# KiCad board Rogelio Pineda part 6-AMLDC-2044B.kicad_pcb (continued)
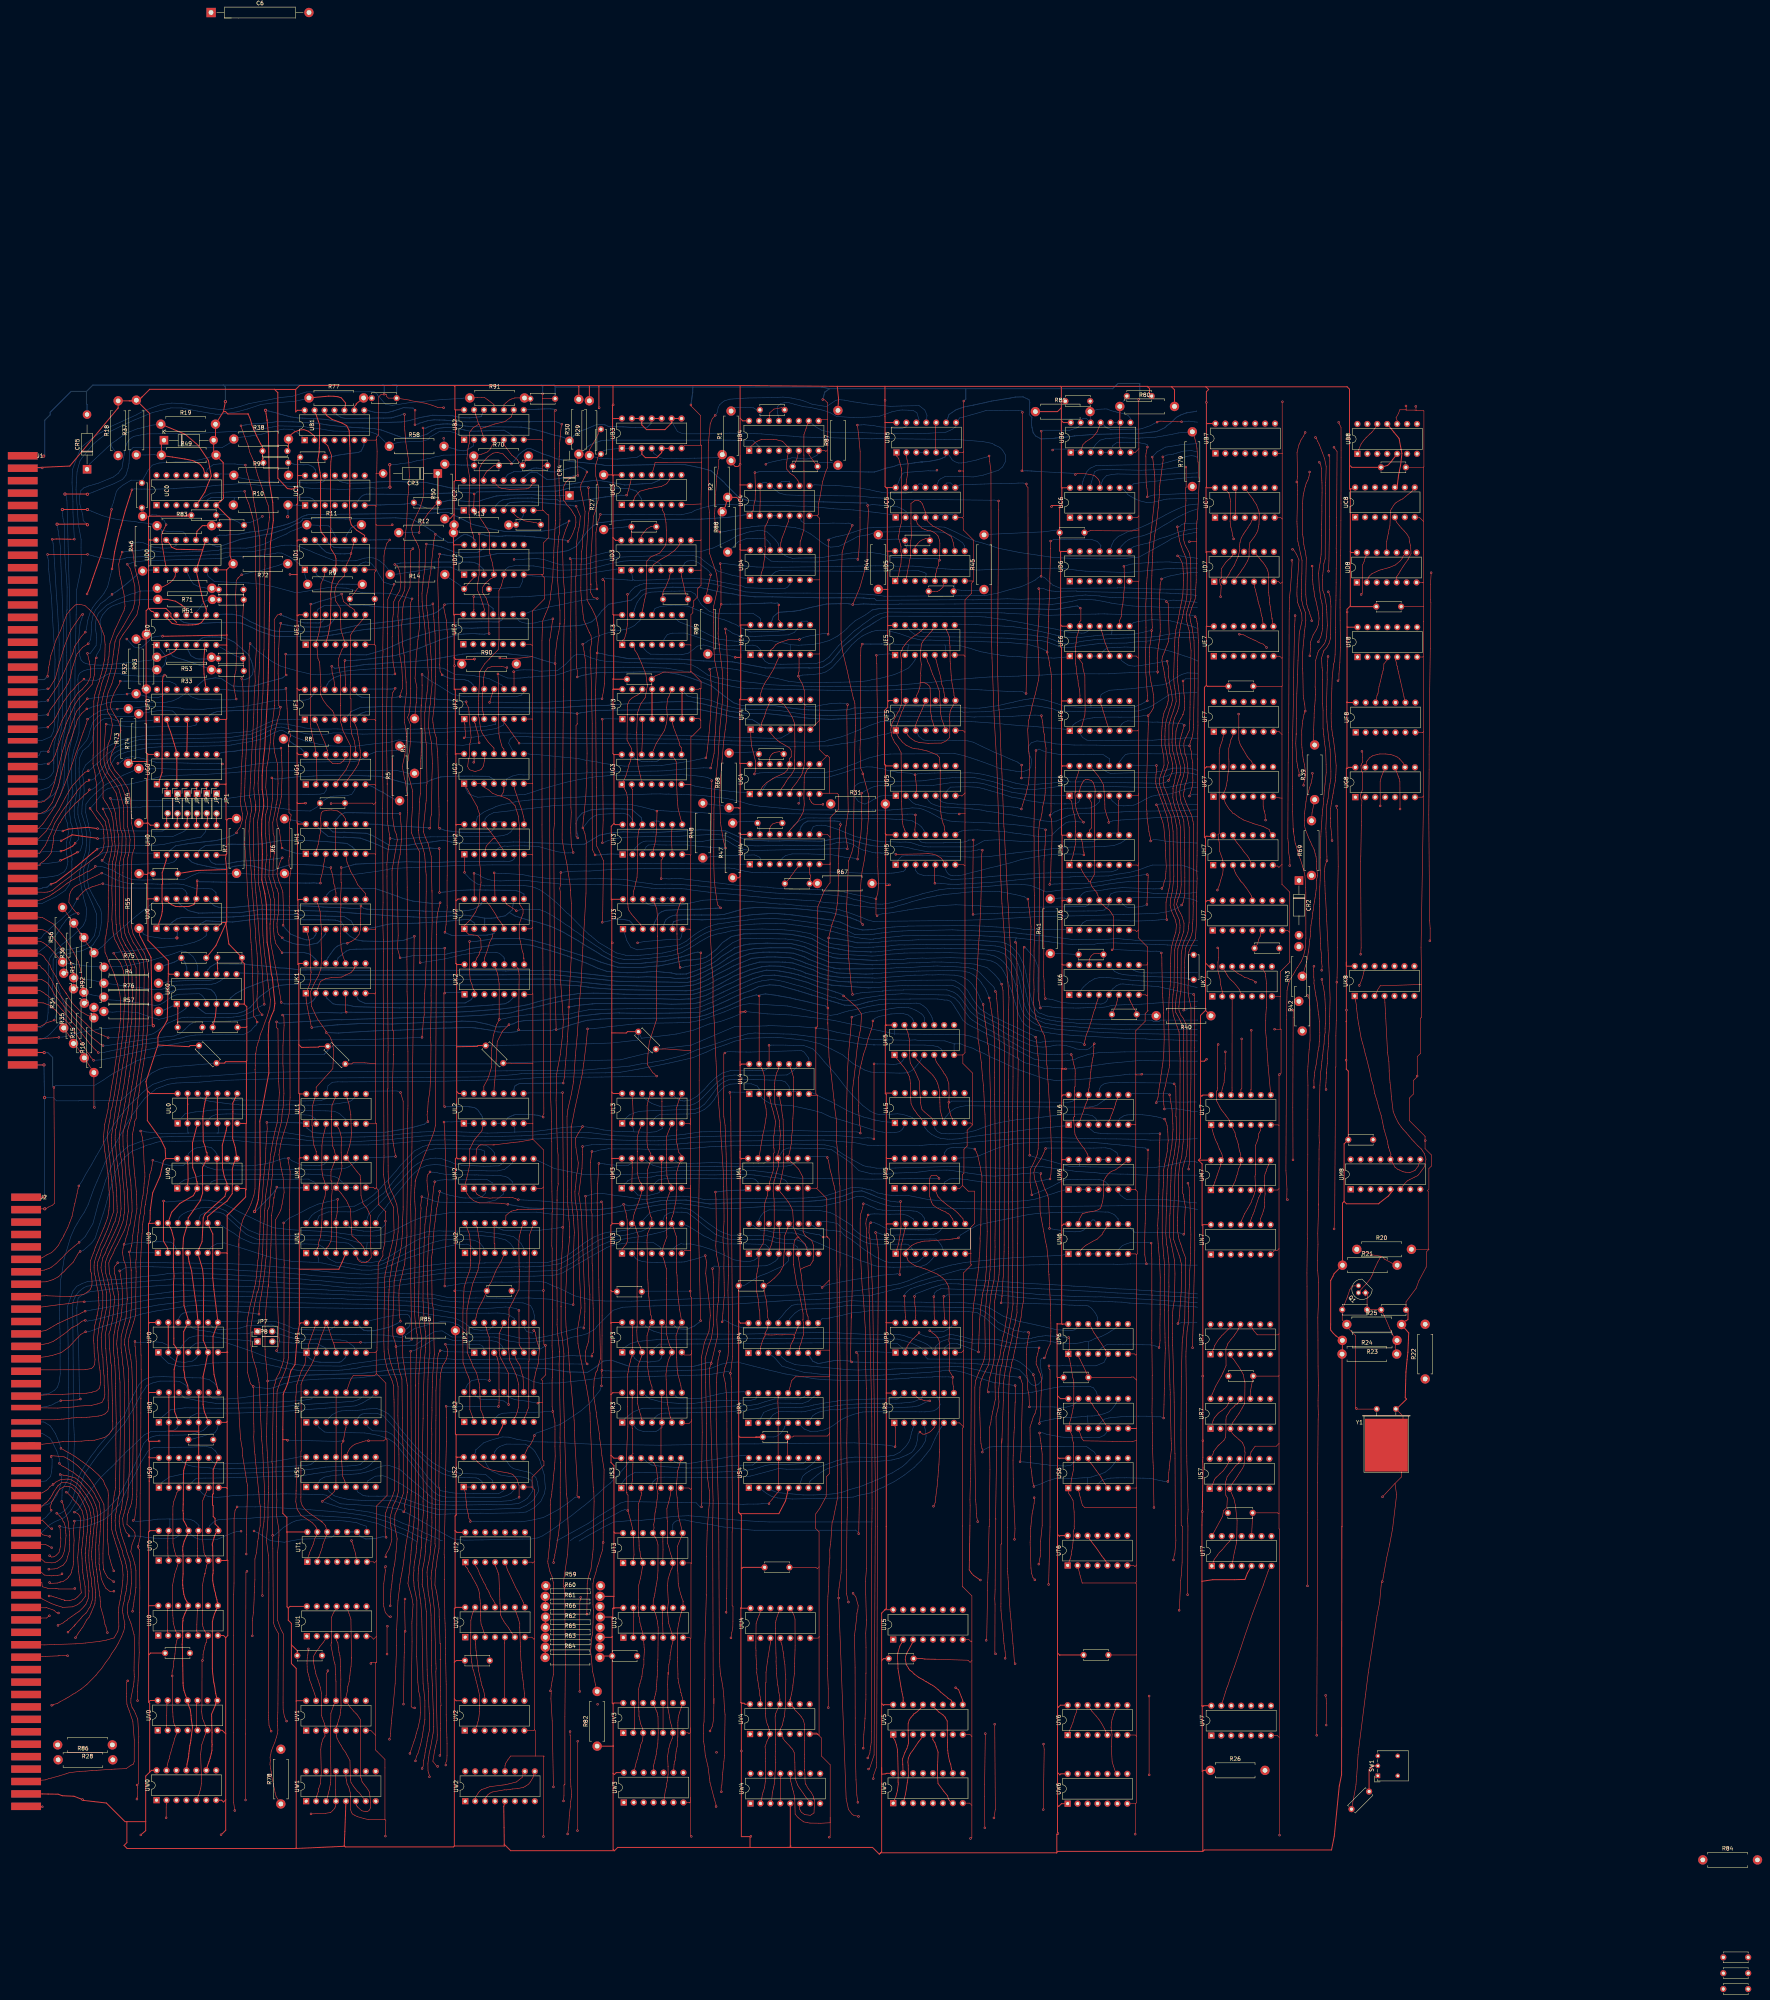
[diagram p0: board, top side]
## Routing (per net, layer and track width the routed paths; a pad name or vN(x,y) marks a point on that pad's centre or on a via; arc(x,y) is an arc through that point) (continued)
C1p11: length 85.7
  Bottom w0.2: UC3.10 238.35,385.12 236.44,384.32 234.12,384.21 230.61,383.99 229.54,383.93 226.78,384.47 222.46,385.17 219.15,384.74 216,384.19 212.86,383.77 204.96,383.22 192.46,383.16 186.5,383.12 185.3,383.13 178.6,384.6 174.03,384.68 171.39,384.83 170.81,384.82 166.48,384.71 164.59,384.49 158.69,384.39 157.48,384.61 156.7,384.88 156.15,385.35 UC1.11
C1p13: length 12.2
  Bottom w0.2: UC1.13 150.58,387.62 150.43,387.94 149.86,388.61 148.7,389.15 147.6,389.09 145.44,389.14 C31.2 143.58,386.47 R94.2
C2p4: length 41.2
  Top w0.15: 230.1,381.29 230.04,381.23 v1(230.04,381.32) 230.13,381.32 230.47,382.47 230.94,384.24 231.06,384.62 UC3.13
  Bottom w0.2: v1(230.04,381.32) 229.47,381.23 229.21,381.25 ; 229.27,381.25 228.58,381.32 228.03,381.19 224.59,380.87 222.48,380.52 221.97,380.42 221.61,380.35 219.32,380.03 217.02,379.8 212.82,379.83 212.4,380.15 210.82,380.21 209.58,380.29 205.8,380.58 204.81,380.55 202.29,380.56 201.3,380.53 198.45,380.12 197.5,379.63 196.74,378.8 UC2.4
C2p5: length 289.6
  Top w0.15: v1(363.07,328.79) 363.14,330.04 362.97,332.1 362.79,334.87 362.69,336.03 362.69,337.49 362.65,341.81 362.74,343.64 362.74,347.54 362.73,348.94 362.69,353.53 362.76,354.67 362.92,358.73 363.01,360.19 363.3,363.81 363.47,365.8 363.7,369.19 363.81,369.87 364.03,372 364.2,373.14 364.32,374.45 364.73,378.26 364.96,380.85 365.01,385.3 364.95,386.45 364.87,387.21 364.49,390.59 v1(364.33,391.06) ; v1(217.43,334.88) 217.43,336.52 217.21,337.59 217.04,360.51 217.13,360.6 217.25,366.28 217.25,368.95 217.59,371.81 217.87,373.02 218.04,373.86 218.21,375.97 v1(217.15,378.49)
  Bottom w0.15: UF6.12 348.61,327.95 348.67,327.6 348.7,327.04 ; v1(363.07,328.79) 362.58,328.54 361.65,328 361.25,327.87 360.63,327.57 359.15,327.08 356.83,327.11 355.88,327.09 355.56,327.04 354.04,327.04 353.43,327.02 352.26,327.04 348.7,327.04 ; 375.88,394.6 375.48,394.45 372.61,394.27 371.31,394.15 370.34,393.98 367.75,393.58 365.58,392.38 v1(364.33,391.06) ; 348.7,327.04 348.2,327.04 347.39,327.02 345.95,327.14 344.65,327.21 342.1,327.3 340.06,328.05 338.33,328.59 337.36,328.89 334.52,329.47 333.48,329.41 332.62,329.22 331.95,329.15 331.16,329 330.42,328.81 329.41,328.63 328.85,328.44 327.76,328.23 324.83,327.54 323.29,327.34 321.72,327.11 320.23,326.92 317.68,326.91 316.86,326.98 314.98,327.01 309.32,327.15 307.96,327.22 307.05,327.22 306.3,327.18 304.61,327.24 298.05,327.14 297.14,327.12 295.36,327.04
  Bottom w0.2: 243.27,335.57 241.26,335.93 239.86,336.16 233.47,336.19 231.83,336.12 230.11,336.13 223.14,335.99 222.22,335.95 220.34,335.59 218.91,335.32 v1(217.43,334.88) ; 243.27,335.57 243.29,335.55 ; 243.27,335.57 245.05,335.09 248.08,334.06 251.83,332.54 255.14,329.92 257.42,328.29 259.39,327.63 267.4,327.64 271.38,327.02 275.12,326.57 276.54,326.48 282.06,326.35 282.28,326.33 283.32,326.37 286.71,326.54 288.14,326.96 293.39,327.12 295.36,327.04 ; v1(217.15,378.49) 215.61,378.74 ; UC2.5 199.06,378.42 199.49,378.89 199.7,379.16 200.36,379.47 203.59,379.63 205.97,379.59 211.24,379.16 212.98,378.92 215.83,378.74
C2p6: length 8.5
  Top w0.15: C15.2 206.91,374.29 206.27,374.39 203.96,374.77 202.22,375.65 201.61,376.17 201.14,376.64 UC2.6
C2p7: length 6.2
  Bottom w0.2: R13.2 200,373.77 C15.1 202.67,374.6 203.4,375.65 203.5,375.86 203.68,376.31 UC2.7
C2p10: length 134.6
  Top w0.15: UE2.12 193.4,351.62 193.78,351.99 193.32,353.42 192.76,355.23 192.01,356.91 191.99,358.58 192.37,361.07 192.35,363.07 192.39,363.63 v1(192.39,371.44) 192.44,371.53 ; v1(215.08,369.51) 215.72,370.36 216.29,371.53 216.74,372.76 216.89,373.16 217.09,374.27 217.04,375.64 216.81,376.09 216.25,376.99 215.95,377.53 215.41,378.14 215.19,378.44 214.92,378.63 214.58,379.15 214.4,379.44 214.14,379.79 213.9,379.99 213.9,383.29 214.17,383.98 214.53,384.62 215.04,385.15 215.48,385.53 216.31,385.96 v1(217.59,386.35) 217.61,387.16 217.53,388.8 217.54,390.31 R30.1
  Bottom w0.2: UB4.2 264.08,393.56 262.4,395.23 261.83,395.3 255.23,395.36 224.94,395.37 223.54,395.23 221.7,394.62 220.79,394.15 219.98,393.63 219.23,392.83 R30.1 ; v1(192.39,371.44) 193.2,371.33 193.37,371.28 193.84,371.13 194.39,370.95 197.46,370.82 198.26,370.85 199.11,370.94 203.92,370.86 205.29,370.71 206.43,370.65 207.13,370.55 211,370.11 214.46,369.85 v1(215.08,369.51) ; v1(217.59,386.35) 217.48,386.35 216.51,386.3 215.94,386.1 214.76,385.89 211.04,385.33 209.67,385.34 207.92,386.57 207.12,387.12 206.45,387.16 206.04,387.19 205.78,387.21 205.1,386.94 204.24,386.2 203.68,385.83 UC2.10
C2p12: length 129.5
  Top w0.15: v1(221.98,289.43) 221.28,290.84 221.23,309.86 221.25,323.03 221.04,333.09 220.91,337.05 220.82,338.02 220.73,341.78 221.14,343.89 220.94,345.44 220.49,346.29 ; 220.53,346.2 219.16,349.28 218.92,350.87 218.47,354.89 218.35,356.91 218.35,357.79 218.4,363.61 218.52,364.83 218.55,366.84 218.76,368.17 218.85,370.99 219.12,372.22 219.44,377.13 218.29,382.79 218.37,384.05 219.41,386.13 v1(219.91,387.23)
  Bottom w0.2: 218.91,388.12 219.91,387.51 v1(219.91,387.23) ; UC2.12 199.66,386.61 201.29,387.33 202.94,387.29 204.5,387.57 205.76,387.99 206.31,388.22 207.01,388.24 208.25,388.13 209.7,387.47 210.65,387.3 211.77,387.27 213.81,387.76 215.75,388.33 217.88,388.57 218.96,388.11 ; UH3.1 226.09,289.68 225.14,289.62 223.83,289.51 223.23,289.43 v1(221.98,289.43)
C2p13: length 12.3
  Top w0.15: UC2.13 196.06,384.68 197.42,383.33 198.21,383.01 199.05,382.94 200.12,382.81 202.08,382.85 204.42,382.92 205.1,383.15 205.82,383.92 UC2.9
C2p14: length 6.2
  Top w0.15: C29.2 196.15,388.88 194.55,387.58 194.09,387.06 193.52,386.11 UC2.14
C3p5: length 335.3
  Top w0.15: 190.12,119.11 v1(190.12,119.21) 190.12,119.57 189.77,119.91 189.55,121.19 189.19,122.82 189.1,124.01 189.05,124.38 188.81,126.58 US2.1 US2.2 ; v1(218.83,343.25) 219.17,341.45 219.6,338.54 219.94,315.43 219.88,312.89 219.91,310.72 219.64,304.74 219.53,303.53 219.16,299.72 219.02,298.73 218.83,296.37 v1(218.87,296.33) 219.38,294.94 219.72,292.96 219.67,279.69 219.3,272.94 218.91,266.73 218.86,265.84 218.4,256.44 218.07,252.69 217.44,243.43 216.95,238.17 216.49,231.6 215.92,228.33 215.04,224.5 214.81,222.57 214.91,208.33 214.95,207.31 215.01,203.9 214.87,202.18 215.05,199.58 215.31,196.27 215.51,194.46 215.5,191.72 ; UG3.2 231.35,306.38 231.6,306.13 231.55,306.09 UH3.13 ; 217.92,125.2 217.84,125.29 v1(217.84,125.4) 217.72,125.4 217.36,125.76 217.48,128.43 216.82,139.56 216.75,142.43 216.64,145.09 215.58,157.23 215.39,159.15 215.23,162.42 214.57,168.86 214.37,173.82 214.44,175.65 214.49,177.58 214.77,183.42 214.92,186.19 215.53,191.98 ; UC3.5 239.21,377.48 239.68,376.59 240.1,374.36 240.19,372.38 240.19,369.8 240.21,369.77 240,368.47 238.51,366.54 236.14,365.51 235.21,364.44 235,355.99 234.67,354.69 234.35,353.13 234.18,352.22 233.99,351.57 UE3.12
  Bottom w0.15: v1(217.84,125.4) 216.9,125.4 215.85,124.54 215.05,123.92 212.6,122.23 210.78,121.26 208.82,120.24 206.23,119.62 205.11,119.4 203.07,119.12 199.6,119.15 198.23,119.12 190.99,119.26 ; v1(218.87,296.33) 218.87,296.35 219.65,297.33 220.31,298.19 220.77,298.65 221.15,298.89 221.19,298.93 222,299.5 223.24,299.8 225.55,299.92 227.64,300 228.55,300.09 229.24,300.08 230.4,299.74 230.93,299.3 231.36,298.61 231.55,298.37 UH3.13 ; v1(218.83,343.25) 219.84,343.81 220.11,344.07 222.07,345.11 224.58,345.98 226.6,346.48 230.48,347.21 232.03,348.01 232.85,348.79 233.44,349.28 UE3.12 ; v1(190.12,119.21) 190.24,119.21 190.97,119.26
C3p9: length 13.8
  Top w0.15: UC3.2 231.9,380.2 232.21,381.01 233.39,382.32 235.66,382.94 238.92,383.56 240.29,384.24 240.94,385.17 UC3.9
C4p1: length 501.5
  Top w0.15: UC4.1 261.53,376.51 262.39,377.45 262.67,379.43 262.89,380.1 262.91,381.51 262.98,382.27 v1(262.81,387.08) 262.81,387.14 262.85,387.18 ; v1(182.91,335.42) 182.38,336.37 182.29,338.14 182.35,339.7 182.32,341 182.03,349.96 181.97,352.79 181.79,359.52 181.98,365.11 182.21,365.48 182.23,365.71 v1(182.27,366.28) ; 321.95,88.8 321.91,88.76 v1(321.91,88.85) 322,88.85 322.04,88.89 322.27,101.52 322.29,103.56 322.4,106.23 322.65,117.9 322.73,117.98 322.73,119.77 322.87,132.44 322.79,138.01 322.74,143.12 323.11,144.45 323.19,145.27 323.59,147.31 324.24,150.32 324.19,153.55 324.18,154.41 324.66,158.92 325.41,161.41 326.18,166.29 326.6,167.86 327.14,171.34 327.49,173.96 327.57,187.53 327.57,188.14 327.56,189.11 327.7,199.08 327.65,200.47 327.72,210.63 327.64,217.87 327.72,221.83 327.65,222.61 327.65,232.07 327.69,234.98 327.78,239.91 327.62,245.2 327.65,249.91 327.73,253.04 327.43,257.16 325.94,277.03 325.68,282.77 325.64,283.24 325.41,289.69 325.28,292.3 324.63,312.7 323.97,324.25 323.4,339.75 323.2,348.49 323.13,387.53 322.82,389.86 v1(322.65,391.33)
  Bottom w0.15: UB5.6 312.63,391.29 313.05,390.58 313.24,390.3 313.89,389.89 314.79,389.53 315.66,389.54 316.23,389.63 317.16,389.8 319.42,390.29 319.93,390.46 320.8,390.73 321.56,390.93 322.03,391.04 v1(322.65,391.33)
  Bottom w0.2: v1(182.91,335.42) 183.43,335.1 184.7,334.58 186.21,334.31 186.98,334.2 188.51,334.23 189.58,333.9 190.29,333.44 190.98,332.74 UF2.13 ; 305.66,389.77 305.63,389.8 305.27,389.8 ; 217.84,369.12 219.89,371.95 221.46,373.49 222.89,374.25 227.93,374.85 229.41,375 231.55,375.12 248.33,375.18 249.39,375.22 250.82,375.3 256.17,375.68 257.35,375.86 260.51,376.32 UC4.1 ; 305.27,389.8 307.01,389.89 309.61,390.39 310.55,390.67 310.64,390.75 311.47,391.12 UB5.6 ; 305.27,389.8 303.55,389.56 302.31,389.37 299.44,389.08 298.29,388.64 296.29,388.21 294.7,387.63 293.33,387.23 291.82,387.24 285.68,387.36 264.03,387.36 263.16,387.08 v1(262.81,387.08) ; v1(182.27,366.28) 183.42,366.09 185.06,365.82 186.13,365.67 188.65,365.43 192.81,365.58 197.05,366.4 200.2,366.45 211.03,366.6 213.2,366.82 215.08,367.16 217.23,368.27 217.89,369.2
C4p3: length 19.4
  Top w0.15: UD4.2 264.47,361.47 264.89,362.57 265.22,364.98 265.35,365.72 265.47,368.15 265.39,368.23 265.39,370.58 265.35,371.21 265.39,373.21 265.98,374.3 UC4.3
  Bottom w0.15: UC4.3 UC4.4
C4p6: length 241
  Top w0.15: 286.75,288 286.31,277.31 286.24,275.66 286.43,273.37 286.76,263.36 287.36,256.67 287.62,254.45 v1(287.75,253.81) ; UL6.2 345.91,221.64 346.47,223.27 346.75,223.91 346.99,224.87 347.17,225.29 347.44,226.04 347.82,226.85 347.84,227.93 UL6.12 348.06,229.41 348.23,230.07 348.25,230.76 348.43,231.57 348.48,232.51 348.62,233.82 348.65,234.13 348.69,234.59 348.84,235.57 348.97,236.46 349.08,237.3 349.19,237.66 349.3,238.24 349.33,239.19 349.44,240.27 349.35,240.99 349.52,241.16 ; 349.52,241.16 349.57,241.21 v1(349.52,241.21) 349.52,241.16 ; 354.5,224.46 353.99,224.64 348.37,224.82 347.91,224.78 346.95,224.73 ; 354.5,224.46 354.35,224.06 354.16,223.49 353.84,222.84 353.61,222.04 353.41,221.83 353.26,221.36 UL6.5 ; 354.5,224.46 354.7,225.03 354.91,225.65 354.96,225.97 355.09,226.36 355.36,227 355.45,227.33 UL6.9 ; v1(287.7,373.62) 286.38,370.65 285.79,369.07 285.1,366.66 284.87,354.84 284.82,353.5 284.82,344.19 284.93,343.89 285.14,341.76 286.43,336.44 287.16,333.02 ; 286.74,287.81 287.59,290.07 287.97,291.65 288.38,318.95 288.53,322.61 288.37,328.05 288.16,328.9 287.92,329.49 287.96,329.49 287.5,331.48 287.17,332.92
  Bottom w0.15: v1(349.52,241.21) 349.52,241.08 348.22,239.94 347.43,239.66 345.83,239.79 344.85,239.9 344.51,240.1 343.28,240.47 342.36,240.74 342,240.79 340.76,240.89 339.76,240.86 339.12,240.76 338.16,240.53 336.4,240.35 334.78,240.47 333.36,240.79 331.31,241.66 330.2,242.14 328.26,243.15 327.11,243.72 325.48,244.76 324.48,245.35 322.71,246.28 321.12,247.05 319.45,248.04 318.69,248.7 317.87,249.42 317.25,250.31 316.73,251.15 316.12,251.84 315.92,252.21 315.25,253.02 314.64,253.67 313.64,254.37 311.87,254.97 300.76,254.97 300.72,254.93 298.64,254.93 297.37,254.9 295.36,254.66 ; 295.36,254.66 294.52,254.55 292.06,254.39 290.89,254.32 290.34,254.26 289.79,254.19 288.89,254.02 288.33,253.88 v1(287.75,253.81) ; 295.36,254.66 295.66,254.7 ; v1(287.7,373.62) 287.63,373.62 287.18,374.07 286.84,374.18 286.08,374.14 282.75,374.18 279.14,374.02 277.42,374.05 275.59,374.05 274.64,374.71 UC4.6
C4p8: length 31.2
  Bottom w0.15: UC4.8 276.93,383.69 278.11,383.96 280.25,383.86 281.88,383.8 283.51,383.81 287.12,383.49 289.3,383.21 292.21,382.68 293.94,382.28 295.25,382.05 296.3,381.93 297.35,381.89 298.4,381.84 301.33,381.84 302.08,381.94 303.09,382.18 UC5.12 304.76,384.15 304.76,384.19 305.47,384.19 UC5.11
C4p11: length 4.6
  Bottom w0.15: UC4.11 269.15,384.29 269.48,384.63 269.59,384.83 270.65,384.84 271.71,384.89 UC4.10
C4p13: length 365.6
  Top w0.15: UC4.13 264.15,382.8 264.17,379.8 UC4.2 ; v1(325.08,379.84) 325.08,377.59 325.13,377.55 324.92,353.63 324.9,350.84 324.83,342.97 324.77,338.71 325.04,328.82 325.18,326.62 325.36,324.82 325.67,316 325.93,310.38 326.43,296.76 326.56,295.31 326.75,290.89 326.93,288.4 327.34,279.21 327.61,275.46 327.83,270 327.93,268.82 328.2,263.97 328.58,256.01 328.81,253.12 328.84,244.1 328.77,241.55 328.77,232.8 328.69,223.91 328.69,203.85 328.64,203.81 328.74,187.88 328.73,186.65 328.63,181.67 328.77,174.69 328.36,171.65 327.7,168.28 326.93,164.14 326.37,162.28 325.99,159.57 325.49,157.71 325.31,154.77 325.13,153.19 325.08,151 325.18,149.71 324.95,148.18 324.43,145.98 324.58,137.42 324.31,119.77 324.2,101.83 324.11,99.44 324.17,98.09 324.13,85.99 324.13,85.57 v1(324.31,85.39) 324.43,85.27 ; 324.31,119.94 324.44,119.81
  Bottom w0.15: 293.08,380.69 289.43,381.1 274.07,381.27 270.73,381.39 268.95,381.9 267.83,382.86 UC4.12 265.8,384.49 264.87,384.49 UC4.13 ; 293.08,380.69 293.15,380.68 ; 293.08,380.69 296.55,380.52 297.52,380.26 302.92,380.26 322.9,380.03 323.94,380.07 v1(325.08,379.84)
C5p4: length 39.4
  Top w0.15: UD5.10 313.5,369.19 313.02,370.73 310.61,372.24 309.78,372.7 308.26,373.43 307.86,373.81 307.81,373.81 306.87,374.75 306.87,375.16 UC5.4 306.4,376.88 306.42,376.9 305.96,378.19 305.61,379.09 305.16,379.64 305.13,379.7 304.57,379.96 303.68,379.92 302.7,379.21 302.69,374.12 302.83,371.03 302.66,369.7 302.52,365.35 302.32,364.58 302.14,363.26 302,362.89 301.82,361.82 301.55,360.34 UD5.2
C6p8: length 17.8
  Bottom w0.15: UC6.8 359.58,384.21 360.01,384.3 362.07,384.58 363.68,384.75 364.9,384.87 368.03,385.2 369.4,385.36 371.69,385.62 373.49,385.79 374.49,385.92 374.5,385.93 375.87,385.93
C6p9: length 21.2
  Bottom w0.15: UC6.9 356.9,382.87 357.74,381.97 358.08,381.47 358.61,381.14 360.05,380.33 361.15,379.87 362.94,379.43 363.81,379.43 364.59,379.54 365.88,379.79 366.4,379.95 367.22,380.15 368.02,380.3 368.82,380.36 375.97,380.53
C6p12: length 172.3
  Top w0.15: v1(372.38,249.78) 372.62,250.02 372.62,260.75 372.6,261.86 372.83,265.58 373.34,266.77 373.95,267.94 374.13,268.28 374.69,270.18 374.67,271.86 374.75,272.98 374.82,276.36 374.78,276.89 374.79,277.34 374.9,297.2 374.77,297.93 374.67,298.32 374.54,298.91 374.26,299.85 374.17,300 373.89,300.6 373.74,301.02 373.25,301.99 372.88,302.98 372.36,304.44 372.4,305.45 372.48,305.72 372.67,307.15 373.12,308.35 373.5,310.31 373.41,311.93 373.09,314.29 372.71,315.22 372.43,317.13 372.42,317.86 372.55,318.62 372.95,319.4 373.79,321.21 373.91,323.09 373.89,323.11 373.96,324.1 373.98,327.1 374.01,327.82 374,328.5 374.26,341.67 374.05,343.34 373.78,346.71 373.07,349.32 373.13,351.06 373.22,351.64 373.57,352.82 374.23,354.98 374.18,363.72 374.08,365.12 373.9,366.29 373.64,366.91 373.06,368.01 372.78,368.5 372.5,369.36 372.32,370.08 372.32,371.23 372.6,372.82 372.64,373.96 372.78,374.67 372.84,376.18 372.81,377.59 372.96,379.9 372.93,380.54 372.86,383.17 372.99,383.31 372.99,388.42 v1(372.92,388.5)
  Bottom w0.15: v1(372.38,249.78) 372.93,249.78 373.73,250.31 374.54,250.49 375.7,250.71 ; v1(372.92,388.5) 372.1,388.75 370.8,388.43 367.05,387.89 361.5,387.69 354.23,387.84 352.82,387.86 350.49,387.75 349.62,387.29 348.86,384.89 UC6.12
C6p13: length 33.8
  Bottom w0.15: 375.92,390.92 375.27,391.27 374.37,391.42 373.11,391.23 371.97,390.78 368.99,389.92 366.3,389.19 349.98,388.89 348.88,388.37 348.54,388.24 348.12,387.88 347.57,387.23 347.01,385.85 346.83,385.61 346.63,384.87 346.38,383.71 UC6.13
C7p5: length 18.5
  Top w0.15: UC7.5 389.77,374.81 389.46,374.03 389.14,373.65 388.78,373.01 388.24,372.23 388.07,372.01 387.77,371.57 387.55,371.21 387.08,370.42 386.77,369.26 386.61,368.32 386.73,367.73 386.66,367.28 386.36,365.76 385.84,364.65 385.3,363.44 384.4,362.03 383.95,361.12 383.57,360.57 UD7.2
C7p11: length 26.8
  Top w0.15: UC7.11 388.48,382.45 389.2,381.42 390.08,380.31 390.27,379.92 390.99,378.85 391.59,377.23 391.68,376.52 391.62,373.91 391.5,373.24 391.32,372.33 391.06,371.73 390.49,370.76 389.29,369.19 389.08,367.53 389.08,366.9 389.08,365.52 388.69,364.52 387.7,362.83 387.23,362.21 386.96,361.73 386.43,361.04 385.88,360.36 UD7.3
C7p12: length 7.7
  Top w0.15: UC7.3 385.61,377.4 385.71,381.97 385.71,382.96 UC7.12
C7p13: length 13.6
  Top w0.15: 385.13,370.11 v1(385.13,370.13) 384.94,370.78 384.91,370.97 384.65,372.31 384.42,373.15 384.24,374.56 384.29,376.96 384.33,379.69 384.25,380.34 383.97,381.72 382.92,383 UC7.13
C8p5: length 19
  Top w0.15: UC8.5 426.71,374.5 427.46,373.54 428.03,372.9 428.73,372.15 429.39,371.42 429.95,370.47 430.07,369.4 430.34,368.45 430.47,366.39 429.71,364.93 428.5,363.21 427.65,361.85 427.37,361.33 426.77,360.46 UD8.5
C8p8: length 19.6
  Top w0.15: UC8.8 430.73,382.37 430.37,382.02 429.72,381.54 428.32,380.36 427.67,380.07 426.62,379.41 426.3,379.08 426,378.72 425.53,377.91 425.22,377.44 425.07,373.5 424.83,372.51 424.68,371.61 424.36,370.14 424.24,369.44 UD8.11
C8p10: length 17.8
  Top w0.25: UB8.11 426.11,397.38 427.41,395.8 427.93,392.98 428.13,391.95 427.78,388.93 427.48,387.48 427.28,386.45 426.84,382.95
C29p1: length 7.5
  Bottom w0.2: C29.1 189.64,389.01 188.5,389 187.84,389 186.26,389.11 185.77,389.09 185.07,389.05 R50.2
CLK RDR: length 50.2
  Top w0.15: v1(99.01,106.58) 98.8,107.06 98.42,108.18 98.08,109.39 97.74,110.77 97.55,113.46 97.39,114.67 97.39,117.04 97.39,118.65 97.48,120 97.55,121.14 97.59,125.2 97.65,125.88 97.52,127.15 96.67,128.73 96.38,129.59 95.19,131.02 93.26,132.76 92.43,133.4 ; 92.52,133.33 90.51,134.81 89.15,135.77 87.92,136.53 86.85,137.1 v1(85.51,137.89)
  Bottom w0.15: v1(85.51,137.89) 85.18,139.09 84.97,139.6 84.13,141.58 83.32,142.85 82.73,143.66 81.6,144.36 81.14,144.61 J2.38
CLR: length 71.3
  Top w0.15: v1(82.28,315.8) 83.43,318.68 84.7,320.88 85.82,323.83 87.25,326.37 88.05,328.12 89.85,330.82 90.52,331.39 90.94,331.74 92.27,333.27 92.99,334.72 93.07,337.16 92.77,338.79 v1(92.28,340.91)
  Top w0.2: UD0.3 114.66,360.51 114.15,359.69 113.46,359.06 112.74,358.54 111.37,357.82 110.49,357.91 R71.2
  Bottom w0.15: R71.2 108.87,356.86 105.93,356.84 103.2,356 101.87,355.45 99.71,354.57 97.17,353.2 95.08,351.19 94.53,349.77 94.32,348.52 94.38,346.95 94.54,345.91 94.59,344.94 94.51,342.93 93.01,340.91 v1(92.28,340.91) ; J1.50 79.95,314.89 80.4,315.89 80.92,315.94 81.58,315.93 v1(82.28,315.8)
D0p2: length 24.4
  Top w0.2: UD0.2 112.38,362.95 112.1,364.37 111.58,367.45 111.28,369.4 111.25,371.24 111.53,371.98 v1(112.39,373.78) 112.48,373.82
  Bottom w0.15: v1(112.39,373.78) 112.24,374.16 111.93,374.78 111.53,375.23 110.85,375.95 109.96,376.25 108.93,376.28 108.67,376.27 108.34,375.93 R46.2 106.18,376.14 C1.1 106.18,376.33 106.2,376.31 107.23,376.23
D0p4: length 12
  Bottom w0.15: UD0.4 118.08,360.9 118.67,359.68 119.34,358.63 120.84,357.91 122.86,357.55 R71.1 ; R71.1 124.1,356.31 ; R71.1 C58.1
D0p6: length 173.1
  Top w0.15: v1(175.21,354.86) 174.88,353.91 174.85,353.38 174.75,350.13 174.74,343.17 174.71,341.06 174.85,334.87 174.89,331.99 174.76,328.21 174.71,327.38 174.62,326.51 174.4,325.26 174.06,324.58 174.88,322.57 174.74,321.97 174.88,319.13 174.81,318.44 174.58,315.99 174.34,314.77 174.22,313.65 174.09,313 174.16,310.32 175.39,305.74 175.32,301.53 175.03,296.87 175.05,295.08 175.7,293.54 176.04,292.35 177.11,290.32 177.14,282.38 177.11,282.34 177.11,274.57 177.07,274.54 177.14,274.23 177.21,273.13 177.21,262.01 v1(177.31,261.91)
  Bottom w0.15: UD0.6 123.15,360.56 124.74,359.24 129.6,359.04 133.48,358.89 136.67,358.59 139.58,358 145.67,356.36 153.97,357.75 158.54,357.56 162.52,356.4 169.51,356.25 v1(175.21,354.86) ; v1(177.31,261.91) 183.73,262.9 187.92,263.92 191.22,264.42 192.62,264.55 196.68,264.55 197.57,264.3 198.72,263.28 198.72,263.03 198.79,262.95 UK2.10
D0p8: length 568.2
  Top w0.15: v1(285.47,253.41) 285.54,253.41 288.37,250.96 289.08,250.28 290.07,248.75 289.85,245.12 289.63,244.1 289.32,242.62 289,240.63 288.56,236.56 288.47,235.26 288.05,231.74 287.74,229.28 287.66,217.18 287.59,214.14 287.83,183.47 287.59,175.49 287.43,171.11 ; 215.69,280.35 215.58,282 214.73,287.39 214.03,290.69 213.58,293.37 213.58,294.54 213.89,329.95 213.94,331.75 213.91,334.02 213.87,335.76 214.06,347.86 214.1,348.57 214.24,349.64 214.19,355.96 214.12,357.24 213.84,360.45 213.85,361.19 213.62,369.75 213.82,370.46 214.48,372.51 214.88,373.46 v1(215.36,374.74) ; 215.68,280.58 215.91,277.06 215.94,275.63 215.88,263.02 ; v1(337.09,214.45) 336.67,213.41 336.34,212.67 335.81,211.72 334.59,209.81 334.32,209.25 334.09,208.27 334.33,206.53 334.66,205.58 334.86,204.97 335.28,203.52 335.43,202.73 335.63,201.91 335.68,198.44 335.95,196.73 336.26,195.14 336.61,193.3 337.06,190.73 337.4,189.33 337.85,185.01 337.82,182.97 337.99,182.26 337.93,182.21 338.01,180.64 338.25,176.34 338.33,174.33 338.31,173.03 338.38,171.73 338.43,169.87 338.45,167.7 338.25,164.47 337.59,163.12 336.97,161.18 v1(336.76,160.96) ; v1(287.53,159.94) 287.26,160.21 287.44,172.18 ; 215.89,263.2 215.48,255.51 215.45,254.71 215.23,247.88 215.19,246.64 214.96,243.13 214.89,241.87 214.55,237.44 214.42,236.01 214.12,232.53 v1(213.84,231.17)
  Bottom w0.15: UM6.9 355.68,212.36 355.36,213.3 355.05,213.57 355.02,213.57 353.78,214.35 352.39,214.63 351.39,214.62 349.33,214.57 348.42,214.56 348.14,214.57 337.9,214.57 337.48,214.58 v1(337.09,214.45) ; v1(336.76,160.96) 336,160.87 335.78,160.29 335.71,159.19 335.89,158.24 335.94,157.81 336.08,157.29 336.34,156.32 336.34,155.72 335.84,154.94 335.8,154.91 335.66,154.64 335.32,154.34 335.2,154.21 334.8,154.06 334.86,154.07 334.15,153.94 333.46,154.2 333.1,154.62 332.74,155.06 332.64,155.36 332.18,155.96 331.84,156.5 330.36,157.98 328.02,158.62 327.24,158.8 325.85,158.96 324.19,159.09 323.45,159.2 323.2,159.2 322.26,159.32 321.08,159.34 319.74,159.44 317.78,159.62 313.97,159.64 312.38,159.7 294.79,159.71 294.35,159.76